# Altium PCB 1-quilter-input.PcbDoc (part 3 of 4) (continued)
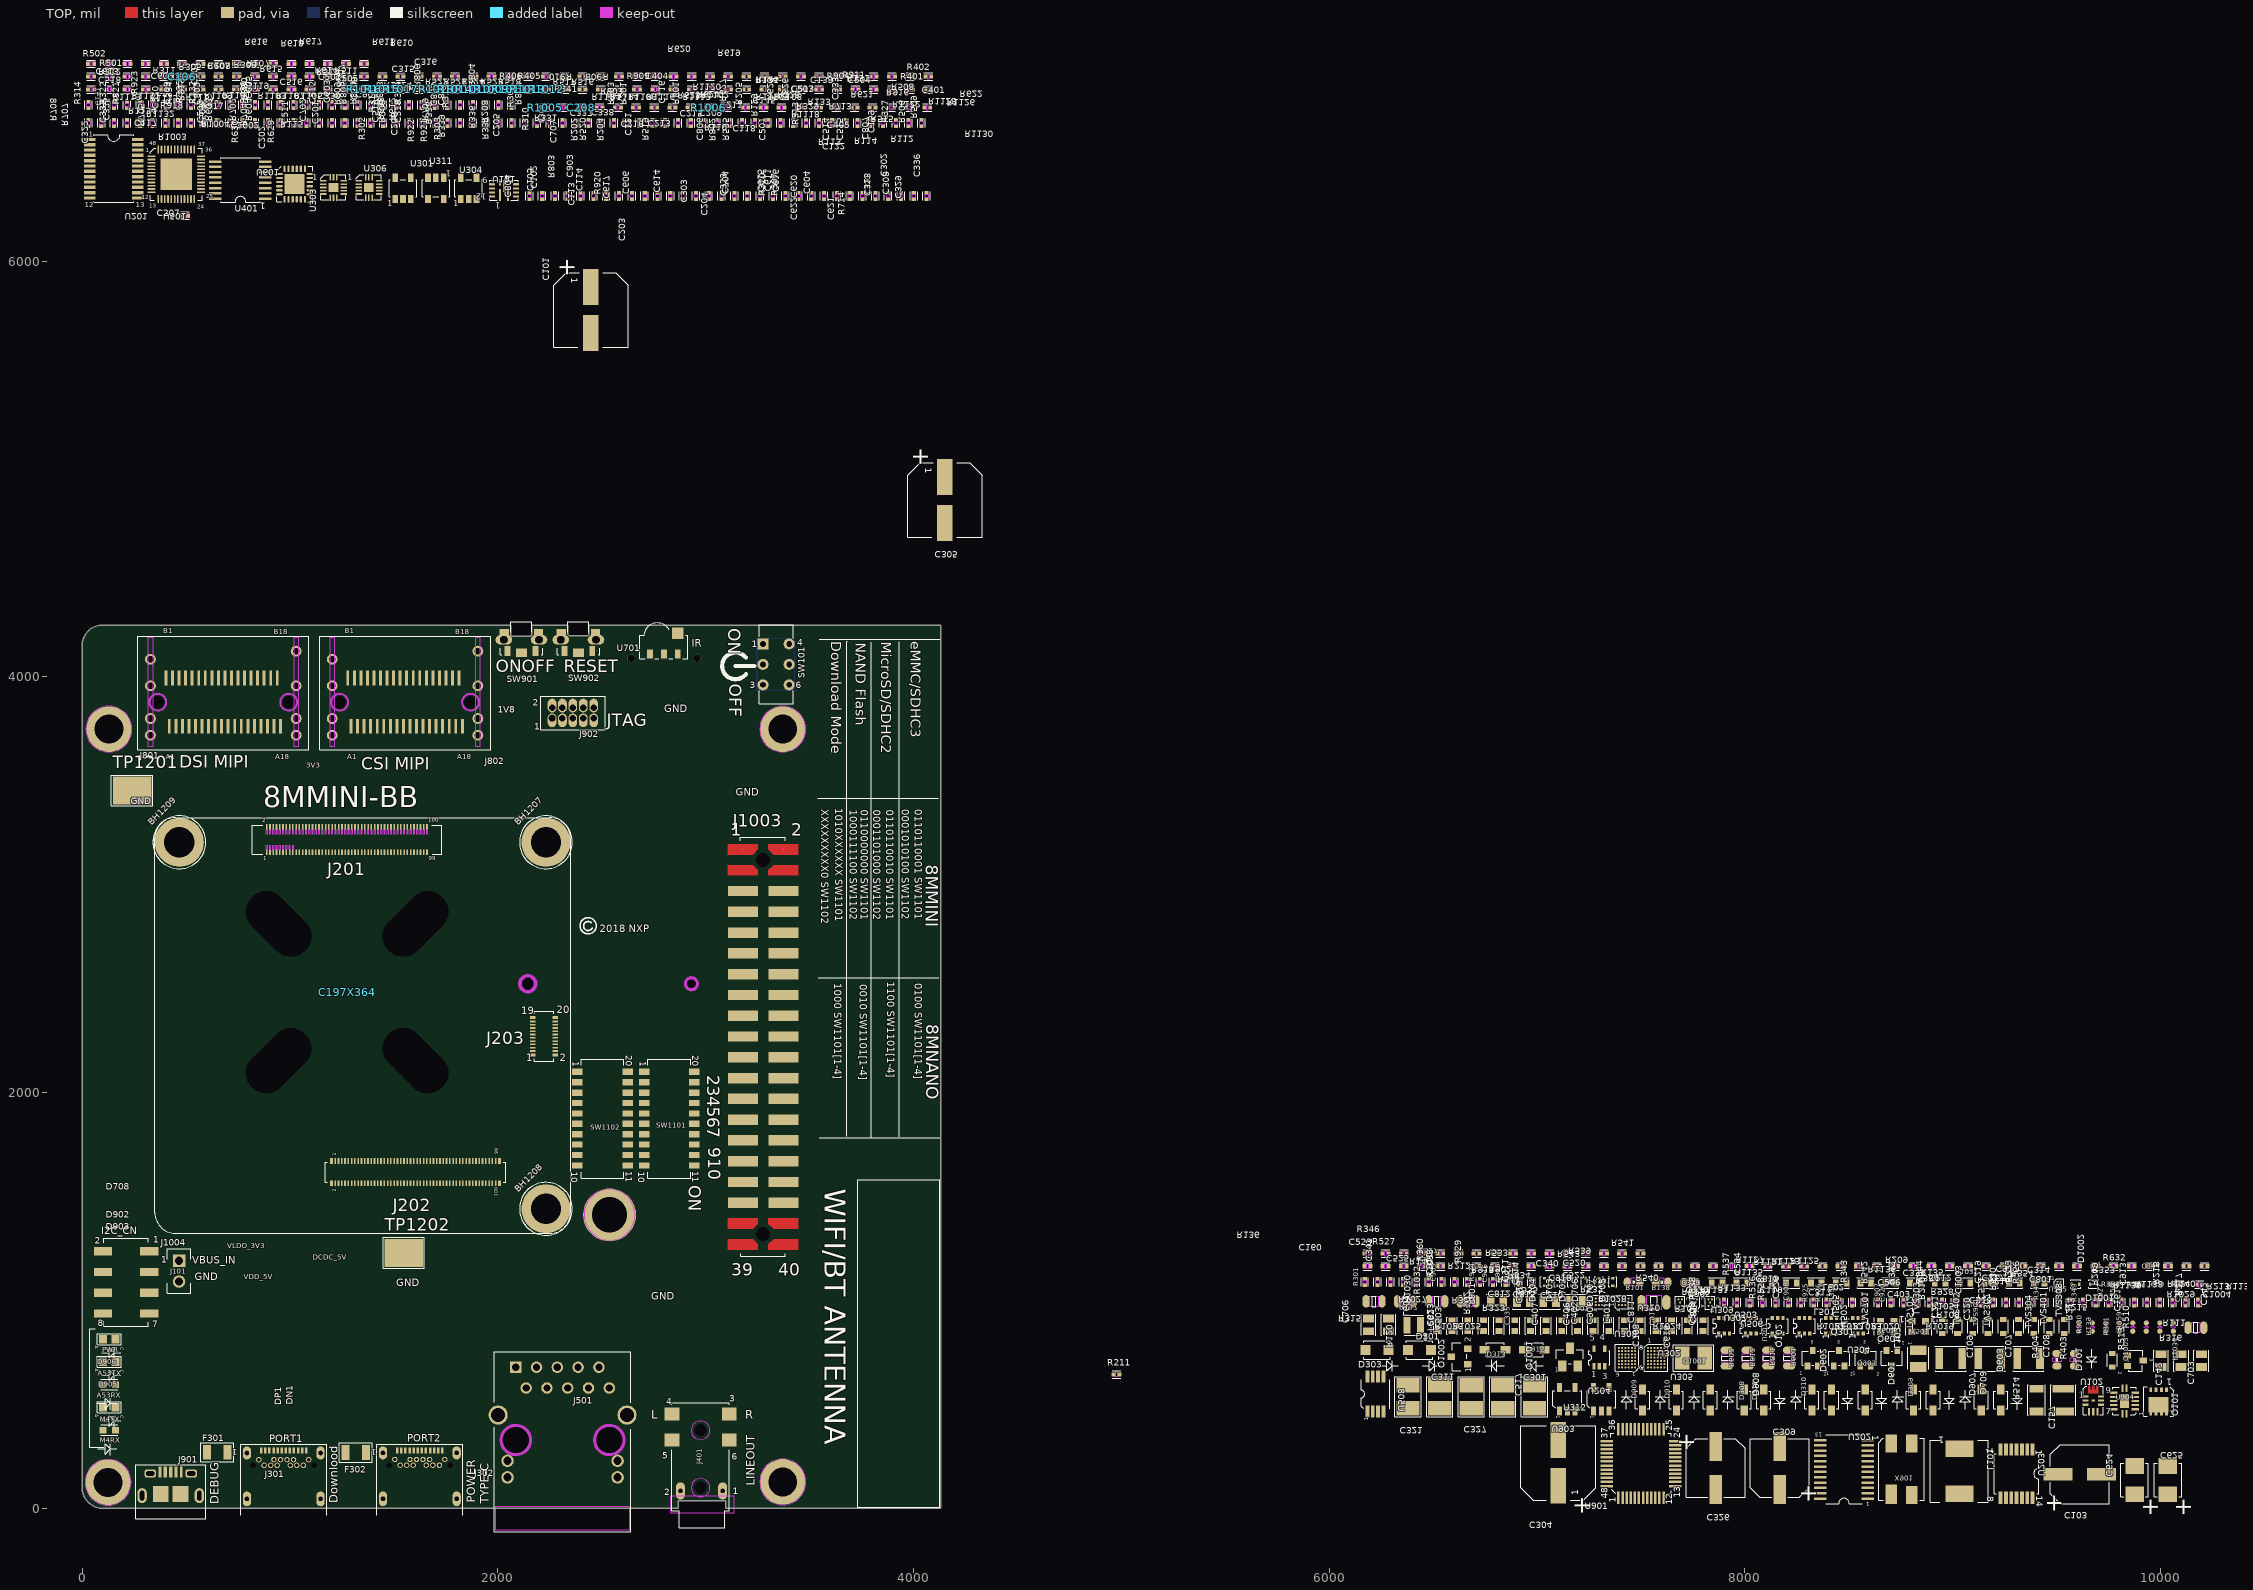
[diagram p0: TOP view]
## Nets (pads, with @x,y where several pads share a name; then routed paths per layer and width w, separated by ;. In a path a pad name is that pad's centre, name@x,y a point inside that pad or via, vN(x,y) a via of type N, cw(c..) or ccw(c..) an arc to the next point about the centre after c; other vN are vias at no path point) (continued)
ETH_TRX0_N: J501.10 U501.12
ETH_TRX0_P: J501.9 U501.11
ETH_TRX1_N: J501.8 U501.15
ETH_TRX1_P: J501.7 U501.14
ETH_TRX2_N: J501.6 U501.18
ETH_TRX2_P: J501.5 U501.17
ETH_TRX3_N: J501.4 U501.21
ETH_TRX3_P: J501.3 U501.20
EX_POR_B: R210.2 U201.3 U204.4
EXP_IO0: R1019.2 U201.6
EXP_IO1: R1020.2 U201.7
EXP_IO2: R1021.2 U201.8
EXP_IO3: R1022.2 U201.9
EXP_IO4: R1023.2 U201.10
EXP_IO5: R1024.2 U201.11
EXP_IO6: R1025.2 U201.13
EXP_IO7: R1026.2 U201.14
EXP_IO8: J1003.12 U201.15
EXP_IO9: J1003.13 U201.16
EXP_IO10: J1003.15 U201.17
EXP_IO11: J1003.16 U201.18
EXP_IO12: J1003.32 U201.19
EXP_IO13: J1003.33 U201.20
EXP_IO14: J1003.31 U201.4
EXT_PWREN: R114.1 R1032.1 U201.5
FRS_EN1: U302.B6 U303.1
FRS_EN2: U305.B6 U306.1
FT_NPWREN: U901.41
FT_NRXLED1: D902.C U901.12
FT_NRXLED2: D906.C U901.28
FT_NSLEEP1: D909.A U901.13
FT_NSLEEP2: D910.A U901.29
FT_NTXLED1: D903.C U901.11
FT_NTXLED2: D905.C U901.27
FT_USB_DN: U901.8 U902.C2
FT_USB_DP: R925.1 U901.7 U902.C1
FT_VCCOUT_3V3: C920.2 R927.1 U901.6
FTDI_NPOR: C909.1 R924.2 U901.4
FTDI_NRSTOUT: R925.2 U901.5
FTDIA_RX: U901.23 U904.12
FTDIA_TX: U901.24 U904.13
FTDIB_RX: U901.39 U904.10
FTDIB_TX: U901.40 U904.11
GND: BH1201.1 BH1202.1 BH1203.1 BH1204.1 BH1206.1 BH1207.1 BH1208.1 BH1209.1 C101.2 C103.2 C105.2 C106.2 C107.2 C108.2 C109.2 C113.2 C114.2 C116.2 C117.2 C119.2 C120.2 C121.2 C141.2 C142.2 C145.2 C157.2 C161.2 C201.2 C202.2 C203.2 C204.2 C205.2 C206.2 C207.2 C208.2 C209.2 C210.2 C211.2 C212.2 C213.2 C214.2 C215.2 C216.2 C217.2 C218.2 C219.2 C220.2 C221.2 C301.2 C302.2 C303.2 C304.2 C305.2 C308.2 C309.2 C311.2 C313.2 C314.2 C316.2 C317.2 C318.1 C319.2 C320.1 C321.2 C322.2 C323.2 C325.2 C326.2 C327.2 C329.2 C331.2 C332.1 C333.2 C334.2 C335.2 C336.1 C337.2 C338.2 C339.2 C340.2 C341.2 C342.2 C343.2 C344.2 C401.2 C402.2 C403.2 C404.1 C406.1 C407.2 C501.2 C502.2 C503.2 C504.2 C505.2 C506.2 C507.2 C508.2 C509.2 C510.2 C511.2 C512.2 C513.2 C514.2 C515.2 C516.2 C517.1 C518.2 C519.2 C520.2 C521.2 C522.2 C523.2 C524.2 C525.2 C526.2 C527.2 C603.2 C604.2 C605.2 C606.2 C607.2 C608.2 C609.2 C611.2 C613.2 C614.2 C617.2 C618.2 C620.2 C621.2 C622.2 C623.2 C624.2 C625.2 C702.2 C703.2 C704.2 C706.2 C707.2 C708.2 C801.2 C802.2 C803.2 C804.2 C805.2 C806.2 C807.2 C811.2 C812.2 C813.2 C814.2 C815.2 C901.2 C902.2 C903.2 C905.2 C906.2 C907.2 C908.2 C909.2 C910.2 C911.2 C912.2 C913.2 C914.2 C915.2 C916.2 C917.2 C918.2 C920.1 C1001.2 C1002.2 C1003.2 D101.A D301.A D303.A D702.A D703.A D704.A D705.A D706.A D707.A D708.C D1001.A D1002.A J101.2 J201.1 J201.7 J201.8 J201.13 J201.19 J201.20 J201.25 J201.31 J201.32 J201.37 J201.43 J201.44 J201.49 J201.55 J201.61 J201.67 J201.68 J201.73 J201.79 J201.80 J201.87 J201.92 J201.97 J202.9 J202.10 J202.11 J202.12 J202.13 J202.14 J202.15 J202.16 J202.17 J202.18 J202.19 J202.20 J202.47 J202.48 J202.60 J202.61 J202.72 J202.75 J202.84 J202.89 J202.96 J203.3 J203.6 J203.7 J203.16 J203.17 J301.A1 J301.A12 J301.B1 J301.B12 J301.SH1 J301.SH2 J301.SH3 J301.SH4 J302.A1 J302.A12 J302.B1 J302.B12 J302.SH1 J302.SH2 J302.SH3 J302.SH4 J401.1 J401.2 J501.1 J501.12 J601.1 J601.7 J601.18 J601.33 J601.39 J601.45 J601.51 J601.57 J601.63 J601.69 J601.75 J701.6 J701.10 J701.11 J701.12 J701.13 J801.A1 J801.A4 J801.A7 J801.A12 J801.A15 J801.A18 J801.B1 J801.B4 J801.B7 J801.B12 J801.B15 J801.B18 J801.T1 J801.T2 J801.T3 J801.T4 J801.T5 J801.T6 J801.T7 J801.T8 J802.A1 J802.A4 J802.A7 J802.A12 J802.A15 J802.A18 J802.B1 J802.B4 J802.B7 J802.B12 J802.B15 J802.B18 J802.T1 J802.T2 J802.T3 J802.T4 J802.T5 J802.T6 J802.T7 J802.T8 J901.5 J901.S1 J901.S2 J901.S3 J901.S4 J901.S5 J901.S6 J902.3 J902.5 J1001.5 J1001.7 J1001.17 J1001.28 J1001.30 J1001.32 J1001.38 J1001.40 J1001.42 J1001.45 J1001.49 J1001.60 J1003.6 J1003.9 J1003.14 J1003.20 J1003.25 J1003.30 J1003.34 J1003.39 J1004.7 J1004.8 Q102.2 Q301.2 Q604.2 Q903.2 Q1002.2 Q1003.2 R108.2 R109.2 R111.2 R115.2 R133.2 R139.2 R215.2 R301.2 R313.2 R314.2 R321.2 R322.2 R328.1 R329.1 R330.1 R333.2 R346.2 R357.2 R359.2 R361.1 R405.2 R514.1 R515.2 R517.2 R518.2 R520.2 R521.2 R522.2 R523.2 R524.2 R525.2 R618.1 R619.1 R620.1 R621.2 R622.2 R625.1 R921.2 R922.2 R930.1 R1033.2 R1102.2 R1104.2 R1106.2 R1108.2 R1110.2 R1112.2 R1114.2 R1116.2 R1118.2 R1120.2 R1122.2 R1124.2 R1126.2 R1128.2 R1130.2 R1132.2 R1134.2 R1136.2 R1139.2 R1140.2 SW101.3 SW101.6 SW901.1 SW901.3 SW901.4 SW901.5 SW901.6 SW901.7 SW902.1 SW902.3 SW902.4 SW902.5 SW902.6 SW902.7 TP1201.1 TP1202.1 TP1203.1 TVS303.1 TVS304.1 TVS307.1 TVS308.1 TVS401.1 TVS402.1 TVS701.1 TVS702.1 TVS901.1 U101.2 U101.10 U102.10 U201.12 U201.21 U202.9 U202.10 U202.11 U202.12 U202.13 U202.22 U203.7 U204.1 U204.3 U301.2 U302.A4 U302.B2 U302.B3 U302.B4 U302.B5 U303.5 U303.17 U304.2 U305.A4 U305.B2 U305.B3 U305.B4 U305.B5 U306.17 U307.B1 U308.B3 U308.D3 U309.B1 U310.B3 U310.D3 U311.2 U312.2 U401.4 U401.13 U501.49 U502.2 U503.2 U504.2 U505.2 U506.2 U507.2 U508.2 U601.6 U601.10 U601.15 U601.21 U601.24 U601.25 U701.3 U701.4 U702.B2 U901.9 U901.18 U901.25 U901.34 U901.45 U901.47 U902.B1 U903.2 U904.7 U904.15 X901.2 X901.4 Y501.2 Y501.4 Y601.2 Y601.4
GND_CHASSIS: C517.2 J501.15 J501.16 R514.2
GPIO1_IO15: J202.38 R217.1 R219.2
I2C2_SCL: J201.22 R201.2 R631.2 R810.2 U203.2
I2C2_SCL_3V3: R202.2 R302.1 R305.1 R309.1 R311.1 R612.1 U203.13
I2C2_SDA: J201.24 R205.2 R630.2 R808.2 U203.3
I2C2_SDA_3V3: R206.2 R303.1 R308.1 R310.1 R312.1 R613.1 U203.12
I2C3_SCL: J201.26 R203.2 R809.2 U201.22 U203.4
I2C3_SCL_3V3: D1001.C J1001.50 J1003.5 J1004.3 J1004.4 R204.2 U203.11
I2C3_SDA: J201.28 R207.2 R807.2 U201.23 U203.5
I2C3_SDA_3V3: D1002.C J1001.51 J1003.3 J1004.5 J1004.6 R208.2 U203.10
I2C4_SCL: D603.C J201.30 R632.2
I2C4_SDA: J201.34 U202.6
ILIM_5V_VBUS1: U303.6
ILIM_5V_VBUS2: U306.6
IOEXP_NINT: J202.44 U201.1
IR_CAP: D709.A J202.42
JTAG_NTRST: J201.60 R923.2 R1108.1 SW1101.3
JTAG_TCK: J201.62 J902.4
JTAG_TDI: J201.54 J902.8 R918.2
JTAG_TDO: J201.52 J902.6
JTAG_TMS: J201.58 J902.2 R917.2
LD1_I2C_SCL: R305.2 U302.B1
LD1_I2C_SDA: R308.2 U302.C1
LD1_NINT: R340.2 R345.2 U302.D1
LD2_I2C_SCL: R311.2 U305.B1
LD2_I2C_SDA: R312.2 U305.C1
LD2_NINT: R341.2 R344.2 U305.D1
LED_ACT: C514.1 R510.1 R519.1 R520.1 U501.23
LED_LINK10_100: C516.1 J501.14 U501.26
LED_LINK1000: C515.1 R513.1 R525.1 U501.24
LINE_OUTL: C407.1 J401.4 R404.2 TVS402.2
LINE_OUTR: C406.2 J401.3 R403.2 TVS401.2
LINEVDD: C402.1 L401.1 U401.6
"LINK / ACTIVE": J501.13 R513.2
LINKACT: J501.11 R510.2
M2_I2C_SCL: J601.60 R631.1
M2_I2C_SDA: J601.58 R630.1
M2_PCM_CLK: J601.8
M2_PCM_IN: J601.12
M2_PCM_OUT: J601.14
M2_PCM_SYNC: J601.10
M2_SD_CLK: J601.9
M2_SD_CMD: J601.11
M2_SD_DAT0: J601.13
M2_SD_DAT1: J601.15
M2_SD_DAT2: J601.17
M2_SD_DAT3: J601.19
M2_SD_NRST: J601.23
M2_SD_WAKE: J601.21
M2_UART_CTS: J601.36
M2_UART_RTS: J601.34
M2_UART_RXD: J601.22
M2_UART_TXD: J601.32
M2_USB_DN: J601.5
M2_USB_DP: J601.3
MDC: R511.2 R537.2 U501.1
MDIO: R512.2 R538.2 U501.48
NetC102_1: C102.1 R102.2
NetC102_2: C102.2 L101.1 R135.1 U101.7
NetC106_1: C106.1 C107.1 C108.1 C109.1 C160.2 L101.2 R103.1 R105.1 U101.5
NetC113_1: C113.1 C161.1 D101.C R101.2 R138.1 R140.2 U101.12
NetC117_1: C117.1 R113.2 R114.2 R115.1 U102.5
NetC118_2: C118.2 R110.2 R111.1 U102.3
NetC122_1: C122.1 U102.4
NetC138_2: C138.2 C159.2 Q101.4 R125.2 R129.1
NetC145_1: C145.1 Q102.1 R131.2 R133.1 R134.2
NetC160_1: C160.1 R135.2 R136.1
NetC315_1: C315.1 U302.A6
NetC316_1: C316.1 U302.A3
NetC319_1: C319.1 R349.2 U303.3
NetC330_1: C330.1 U305.A6
NetC333_1: C333.1 U305.A3
NetC335_1: C335.1 R350.2 U306.3
NetC339_1: C339.1 D308.C D309.C R355.1 U312.1
NetC401_1: C401.1 U401.2
NetC404_2: C404.2 U401.14
NetC405_1: C405.1 U401.5
NetC405_2: C405.2 U401.3
NetC613_1: C613.1 U601.1 Y601.1
NetC614_1: C614.1 U601.2 Y601.3
NetC902_1: C902.1 R904.2 U901.46
NetC907_1: C907.1 U901.43 X901.1
NetC908_1: C908.1 U901.44 X901.3
NetC917_1: C917.1 U903.4
NetC918_1: C918.1 R928.1 U903.5
NetC1004_2: C1004.2 Q1001.1 R1029.2 R1031.1
NetD311_A: D311.A Q301.1 R346.1 R360.2
NetD601_C: D601.C J601.55 R627.2
NetD602_A: D602.A D603.A Q604.1 R623.2
NetD702_C: D702.C J701.2 R709.2
NetD703_C: D703.C J701.1 R708.2
NetD704_C: D704.C J701.8 R707.2
NetD705_C: D705.C J701.7 R705.2
NetD706_C: D706.C J701.5 R704.2
NetD707_C: D707.C J701.3 R702.2
NetD708_A: D708.A R713.2
NetD709_C: D709.C U701.1
NetD902_A: D902.A R902.1
NetD903_A: D903.A R903.1
NetD905_A: D905.A R915.1
NetD906_A: D906.A R916.1
NetD907_C: D907.C R919.1
NetD909_C: D909.C D910.C R929.1
NetJ501_2: J501.2 R503.2
NetJ601_54: J601.54
NetJ801_A8: J801.A8 J801.A9
NetJ802_A8: J802.A8 J802.A9
NetJ902_7: J902.7 R921.1
NetJ902_9: J902.9 R922.1 R923.1
NetJ1001_2: J1001.2 R1028.1
NetJ1001_3: J1001.3 R1027.1
NetJ1001_31: J1001.31 R1009.1
NetJ1001_34: J1001.34 R1010.1
NetJ1001_35: J1001.35 R1011.1
NetJ1001_36: J1001.36 R1012.1
NetJ1001_37: J1001.37 R1013.1
NetJ1001_46: J1001.46 R1003.1 R1004.1
NetJ1001_52: J1001.52 R1019.1
NetJ1001_53: J1001.53 R1020.1
NetJ1001_54: J1001.54 R1021.1
NetJ1001_55: J1001.55 R1022.1
NetJ1001_56: J1001.56 R1023.1
NetJ1001_57: J1001.57 R1024.1
NetJ1001_58: J1001.58 R1025.1
NetJ1001_59: J1001.59 R1026.1
NetJ1003_35: J1003.35 R1017.2
NetJ1003_36: J1003.36 R1014.1
NetJ1003_37: J1003.37 R1018.2
NetJ1003_38: J1003.38 R1015.1
NetJ1003_40: J1003.40 R1016.1
NetL102_1: L102.1 U102.1 U102.9
NetQ102_3: Q102.3 R129.2
NetQ903_1: Q903.1 R137.2 R139.1
NetQ903_3: Q903.3 R138.2
NetQ1001_3: Q1001.3 R1001.1 R1030.1 R1034.2
NetQ1002_1: Q1002.1 Q1003.3 R1031.2
NetQ1002_3: Q1002.3 R1030.2
NetQ1003_1: Q1003.1 R1032.2 R1033.1
NetR102_1: R102.1 U101.8
NetR105_2: R105.2 R109.1 R136.2 U101.11
NetR107_2: R107.2 R108.1 U101.6
NetR112_2: R112.2 U102.6
NetR140_1: R140.1 SW101.2 SW101.5
NetR209_2: R209.2 U202.2
NetR211_2: R211.2 U202.4
NetR212_2: R212.2 U202.5
NetR213_2: R213.2 U202.7
NetR214_2: R214.2 U203.8
NetR304_2: R304.2 R314.1 U301.4
NetR306_2: R306.2 R313.1 U301.3
NetR318_2: R318.2 R322.1 U304.4
NetR319_2: R319.2 R321.1 U304.3
NetR327_1: R327.1 U306.5
NetR328_2: R328.2 U302.A2
NetR329_2: R329.2 U302.E1
NetR330_2: R330.2 U305.A2
NetR331_1: R331.1 R354.2 U305.A1
NetR331_2: R331.2 U305.E1
NetR353_2: R353.2 U302.A1
NetR355_2: R355.2 R361.2 U312.3
NetR356_2: R356.2 R357.1 U311.3
NetR358_2: R358.2 R359.1 U311.4
NetR401_2: R401.2 U401.10
NetR402_2: R402.2 U401.9
NetR403_1: R403.1 U401.16
NetR404_1: R404.1 U401.1
NetR406_1: R406.1 U401.12
NetR515_1: R515.1 U501.9
NetR526_1: R526.1 U508.6
NetR527_2: R527.2 R537.1 U508.8
NetR528_2: R528.2 R538.1 U508.1
NetR539_2: R539.2 U502.4 U502.6
NetR540_2: R540.2 U504.4 U504.6
NetR541_2: R541.2 U503.4 U503.6
NetR542_2: R542.2 U506.4 U506.6
NetR543_2: R543.2 U505.4 U505.6
NetR544_2: R544.2 U507.4 U507.6
NetR612_2: R612.2 U601.8
NetR613_2: R613.2 U601.9
NetR618_2: R618.2 U601.12
NetR619_2: R619.2 U601.19
NetR620_2: R620.2 U601.23
NetR624_2: R624.2 R625.2 U601.5
NetR714_2: R714.2 U701.2
NetR908_1: R908.1 U904.2
NetR909_1: R909.1 U904.3
NetR910_1: R910.1 U904.4
NetR911_1: R911.1 U904.5
NetR926_2: R926.2 U901.2
NetR929_2: R929.2 R930.2 U904.8
NetR1101_1: R1101.1 SW1101.18
NetR1103_1: R1103.1 SW1101.20
NetR1105_1: R1105.1 SW1101.19
NetR1107_1: R1107.1 SW1101.17
NetR1109_1: R1109.1 SW1101.16
NetR1111_1: R1111.1 SW1101.15
NetR1113_1: R1113.1 SW1101.14
NetR1115_1: R1115.1 SW1101.13
NetR1117_1: R1117.1 SW1101.12
NetR1119_1: R1119.1 SW1102.20
NetR1121_1: R1121.1 SW1102.19
NetR1123_1: R1123.1 SW1102.18
NetR1125_1: R1125.1 SW1102.17
NetR1127_1: R1127.1 SW1102.16
NetR1129_1: R1129.1 SW1102.15
NetR1131_1: R1131.1 SW1102.14
NetR1133_1: R1133.1 SW1102.13
NetR1135_1: R1135.1 SW1101.11
NetR1137_1: R1137.1 SW1102.12
NetR1138_1: R1138.1 SW1102.11
NetTP103_1: U102.7
NetTP105_1: U101.3
NetTP309_1: U308.C3
NetTP310_1: U310.C3
NetTP602_1: U601.4
NRST: D908.C J902.10 R919.2
NVCC_ENET: C523.1 J203.19 R502.2 R526.2 R536.2 U508.3
ONOFF: J201.46 SW901.2
PCIE_CLK_CPU_N: J201.75 R611.2 R615.1
PCIE_CLK_CPU_P: J201.77 R610.2 R614.1
PCIE_NCLKREQ_DEV: D602.C J601.53 R626.2 R632.1
PCIE_NDIS: J601.56 U202.21
PCIE_NDIS_LV: J202.62 U202.3
PCIE_NRST: J601.52 U202.20
PCIE_NRST_LV: J202.68 R211.1
PCIE_NWAKE: D601.A J201.86
PCIE_REQ: Q604.3 U601.22
PCIE_RX_N: J201.63 J601.43
PCIE_RX_P: J201.65 J601.41
PCIE_TX_N: C616.1 J201.69
PCIE_TX_P: C615.1 J201.71
PCIE_TXC_N: C616.2 J601.37
PCIE_TXC_P: C615.2 J601.35
PD1_I2C_SCL: R302.2 U303.8
PD1_I2C_SDA: R303.2 U303.7
PD2_I2C_SCL: R309.2 U306.8
PD2_I2C_SDA: R310.2 U306.7
PD_EN_SRC1: R332.1 U303.16
PD_EN_SRC2: R334.1 U306.16
PHY_CLKOUT: U501.25
PMIC_ON_REQ: J201.48 R131.1
POR_B: D908.A J201.50 R210.1 U204.2
PPS/GPIO: U501.22
REF_CLK_32K: J202.37 R215.1 U202.8
REF_CLK_32K_3V3: R629.2 U202.16
REF_CLK_CN_N: J601.49 R615.2 R617.2 R622.1
REF_CLK_CN_P: J601.47 R614.2 R616.2 R621.1
SAI1_MCLK: J202.98 J1001.4
SAI1_RXC: J202.76 J1001.18
SAI1_RXD0: J202.78 J1001.20 R1112.1 SW1101.5
SAI1_RXD1: J202.80 J1001.21 R1114.1 SW1101.6
SAI1_RXD2: J202.82 J1001.22 R1116.1 SW1101.7
SAI1_RXD3: J202.86 J1001.23 R1118.1 SW1101.8
SAI1_RXD4: J202.88 J1001.24 R1102.1 SW1101.9
SAI1_RXD5: J202.90 J1001.25 R1136.1 SW1101.10
SAI1_RXD6: J202.92 J1001.26 R1120.1 SW1102.1
SAI1_RXD7: J202.94 J1001.27 R1122.1 SW1102.2
SAI1_RXFS: J202.74 J1001.19
SAI1_TXC: J202.81 J1001.6
SAI1_TXD0: J202.83 J1001.9 R1124.1 SW1102.3
SAI1_TXD1: J202.85 J1001.10 R1126.1 SW1102.4
SAI1_TXD2: J202.87 J1001.11 R1128.1 SW1102.5
SAI1_TXD3: J202.91 J1001.12 R1130.1 SW1102.6
SAI1_TXD4: J202.93 J1001.13 R1132.1 SW1102.7
SAI1_TXD5: J202.95 J1001.14 R1134.1 SW1102.8
SAI1_TXD6: J202.97 J1001.15 R1139.1 SW1102.9
SAI1_TXD7: J202.99 J1001.16 R1140.1 SW1102.10
SAI1_TXFS: J202.100 J1001.8
SAI2_3_MCLK: J1001.39 R1005.1 R1006.1
SAI2_MCLK: J202.66 R213.1
SAI2_MCLK_3V3: R1006.2 U202.17
SAI3_MCLK: J202.41 R401.1 R1005.2
SAI3_RXC: J202.53 J1001.41
SAI3_RXD: J202.55 J1001.44
SAI3_RXFS: J202.51 J1001.43
SAI3_TXC: J202.45 R402.1
SAI3_TXD: J202.49 U401.7
SAI3_TXFS: J202.43 U401.8
SAI5_MCLK: J202.77 J1001.29
SAI5_RXC: J202.65 R1009.2 R1016.2
SAI5_RXD0: J202.67 R1010.2 R1015.2
SAI5_RXD1: J202.69 R1011.2 R1018.1
SAI5_RXD2: J202.71 R1012.2 R1014.2
SAI5_RXD3: J202.73 R1013.2 R1017.1
SAI5_RXFS: J202.70 J1001.33
SD2_CLK: J201.76 R704.1
SD2_CMD: J201.78 R702.1
SD2_DATA0: J201.84 R705.1
SD2_DATA1: J201.82 R707.1
SD2_DATA2: J201.72 R708.1
SD2_DATA3: J201.74 R709.1
SD2_DET: J701.9 R217.2 R218.1 TVS701.2
SD2_NCD: J201.88 R216.2 R218.2
SD2_NRST: J201.90 U702.B1
SPDIF_EXT_CLK: J202.63 R1003.2
SPDIF_RX: J202.59 J1001.48
SPDIF_TX: J202.57 J1001.47
SUSCLK_32K: J601.50 R629.1
SYS_5V: C103.1 C116.1 C138.1 C209.1 C210.1 J202.1 J202.2 J202.3 J202.4 J202.5 J202.6 J202.7 J202.8 Q101.1 Q101.2 Q101.3 R103.2 R112.1 R120.1 R125.1 U102.8 U102.11
SYS_NRST: J202.39 SW902.2
TCPC_NINT1: J201.70 U303.10
TCPC_NINT2: R216.1 R219.1 U306.10
TEST_MODE: J201.56 R1110.1 SW1101.4
UART2_RXD: J201.36 R910.2
UART2_TXD: J201.38 R911.2
UART3_CTS: J201.10 J1003.7
UART3_RTS: J201.2 J1003.11
UART3_RXD: J201.4 J1003.10
UART3_TXD: J201.6 J1003.8
UART4_RXD: J201.40 R908.2
UART4_TXD: J201.42 R909.2
USB1_CC1: R336.2 U303.13 U308.A2
USB1_CC1_CN: J301.A5 R336.1 TVS304.2 U308.A1
USB1_CC2: R337.2 U303.14 U308.B2 U308.C1 U308.C2
USB1_CC2_CN: J301.B5 R337.1 TVS303.2 U308.B1
USB1_CN_DN: J301.A7 J301.B7 U307.A2
USB1_CN_DP: J301.A6 J301.B6 U307.A1
USB1_DN: J201.83 U307.C2
USB1_DP: J201.85 U307.C1
USB1_ID: J201.89
USB1_OTG_VBUS: C303.1 D301.C F301.1 J301.A4 J301.A9 J301.B4 J301.B9 R301.1 R306.1
USB1_OTG_VBUS_F: C301.1 C302.1 D309.A F301.2 U302.C2 U302.C3 U302.C4 U302.C5 U302.D4 U302.D5 U302.E4 U302.E5 U302.F4 U302.F5 U302.G4 U302.G5 U303.15
USB1_VBUS: C215.1 J201.81 R307.2 U301.1
USB1_VBUS_IN: C308.1 C309.1 C315.2 R315.1 R316.1 U302.C6 U302.D6 U302.E6 U302.F6 U302.G6
USB2_CC1: R338.2 U306.13 U310.A2
USB2_CC1_CN: J302.A5 R338.1 TVS308.2 U310.A1
USB2_CC2: R339.2 U306.14 U310.B2 U310.C1 U310.C2
USB2_CC2_CN: J302.B5 R339.1 TVS307.2 U310.B1
USB2_CN_DN: J302.A7 J302.B7 U309.A2
USB2_CN_DP: J302.A6 J302.B6 U309.A1
USB2_DN: J201.93 U309.C2
USB2_DP: J201.95 U309.C1
USB2_ID: J201.99
USB2_OTG_VBUS: C323.1 D303.C F302.1 J302.A4 J302.A9 J302.B4 J302.B9 R319.1 R356.1
USB2_OTG_VBUS_F: C321.1 C322.1 D308.A F302.2 U305.C2 U305.C3 U305.C4 U305.C5 U305.D4 U305.D5 U305.E4 U305.E5 U305.F4 U305.F5 U305.G4 U305.G5 U306.15
USB2_VBUS: C216.1 J201.91 R320.2 U304.1
USB2_VBUS_IN: C325.1 C326.1 C330.2 R323.1 R325.1 U305.C6 U305.D6 U305.E6 U305.F6 U305.G6
USB_DBG_DN: J901.2 U902.A2
USB_DBG_DP: J901.3 U902.A1
USB_LD_NFLT1: R340.1 U303.11
USB_LD_NFLT2: R341.1 U306.11
VBUS2_TH: C341.1 D311.C R343.2 U311.1
VBUS_DBG: J901.1 L901.1 TVS901.2
VBUS_EXT: C1001.1 C1002.1 J1001.1 R1001.2 R1027.2 R1028.2
VBUS_IN: C101.1 C105.1 C304.1 C305.1 C1004.1 J101.1 Q1001.2 R101.1 R137.1 R315.2 R316.2 R323.2 R325.2 R1029.1 R1034.1 U101.1
VBUS_USB_DBG: C901.1 C903.1 C905.1 C910.1 C911.1 C912.1 L901.2 R904.1 R924.1 R926.1 U901.3 U901.42 U903.1 U903.3
VCC: J902.1 R920.2
VCC_3V3_FT: C906.1 C913.1 C914.1 C915.1 R902.2 R903.2 R915.2 R916.2 R927.2 R928.2 U901.10 U901.14 U901.26 U901.31 U904.14
VCC_3V6: C114.1 R107.1 U101.9
VDD_1V8: C201.1 C204.1 C205.1 C206.1 C213.1 C214.1 C218.1 C219.1 C221.1 C520.1 C521.1 C522.1 C525.1 C526.1 C527.1 C801.1 C802.1 C805.1 C813.1 C916.1 D907.A J202.22 J202.24 J202.26 J202.28 J202.30 J202.32 J202.34 J202.36 J801.A5 J801.A6 J802.A5 J802.A6 L601.2 L602.1 R201.1 R203.1 R205.1 R207.1 R209.1 R214.1 R536.1 R604.1 R623.1 R624.1 R801.1 R802.1 R803.1 R804.1 R805.1 R806.1 R917.1 R918.1 R920.1 R1101.2 R1103.2 R1105.2 R1107.2 U201.2 U202.1 U203.1 U204.5 U502.5 U503.5 U504.5 U505.5 U506.5 U507.5 U904.1
VDD_1V8_U601_2: C605.1 C606.1 C607.1 C608.1 C609.1 C611.1 L601.1 L602.2 U601.3 U601.11 U601.16 U601.20
VDD_3V3: C202.1 C203.1 C207.1 C208.1 C211.1 C212.1 C217.1 C220.1 C403.1 C506.1 C507.1 C524.1 C706.1 C707.1 C708.1 C1003.1 D310.A J202.21 J202.23 J202.25 J202.27 J202.29 J202.31 J202.33 J202.35 J1004.1 J1004.2 L401.2 L501.1 R113.1 R134.1 R202.1 R204.1 R206.1 R208.1 R344.1 R345.1 R349.1 R350.1 R406.2 R506.1 R527.1 R528.1 R601.1 R603.1 R713.1 R714.1 R812.1 R1004.2 R1109.2 R1111.2 R1113.2 R1115.2 R1117.2 R1119.2 R1121.2 R1123.2 R1125.2 R1127.2 R1129.2 R1131.2 R1133.2 R1135.2 R1137.2 R1138.2 U201.24 U202.23 U202.24 U203.14 U401.15 U501.4 U508.7 U702.A1
VDD_3V3_U601: C603.1 C604.1 R603.2 R604.2 U601.7
VDD_5V: C141.1 C142.1 C157.1 C159.1 C311.1 C313.1 C320.2 C327.1 C329.1 C336.2 C342.1 C343.1 C804.1 C807.1 C812.1 C815.1 J801.A16 J801.A17 J802.A16 J802.A17 J1003.2 J1003.4 Q101.5 R120.2 R304.1 R307.1 R318.1 R320.1 U301.5 U302.D2 U302.D3 U302.E2 U302.E3 U302.F2 U302.F3 U302.G2 U302.G3 U303.12 U304.5 U305.D2 U305.D3 U305.E2 U305.E3 U305.F2 U305.F3 U305.G2 U305.G3 U306.12
VDDEXT_3V3: C118.1 C119.1 C120.1 C121.1 C122.2 L102.2 R110.1 R602.1 R811.1 U102.2
VEXT_3V3: C803.1 C806.1 C811.1 C814.1 J801.A13 J801.A14 J802.A13 J802.A14 J1003.1 J1003.17 R811.2 R812.2
VLDO1_3V3: C317.1 D312.A U302.A5
VLDO2_3V3: C334.1 D313.A U305.A5
VLDO_3V3: C314.1 C331.1 C337.1 C338.1 C340.1 C344.1 D310.C D312.C D313.C R343.1 R353.1 R354.1 R358.1 U308.A3 U310.A3 U311.5 U312.5
VPCIE_3V3: C617.1 C618.1 C620.1 C621.1 C622.1 C623.1 C624.1 C625.1 J601.2 J601.4 J601.72 J601.74 R601.2 R602.2 R626.1 R627.1
VSD_3V3: C702.1 C703.1 C704.1 J701.4 TVS702.2 U702.A2
WOL_INT: J202.46 U501.40
pads on no net: C197X364. J202. J203. J301. J301.A2 J301.A3 J301.A8 J301.A10 J301.A11 J301.B2 J301.B3 J301.B8 J301.B10 J301.B11 J302. J302.A2 J302.A3 J302.A8 J302.A10 J302.A11 J302.B2 J302.B3 J302.B8 J302.B10 J302.B11 J401. J401.5 J401.6 J501. J601. J601.6 J601.16 J601.38 J601.40 J601.42 J601.44 J601.46 J601.48 J601.59 J601.61 J601.62 J601.64 J601.65 J601.66 J601.67 J601.68 J601.70 J601.71 J601.73 J701. J801. J801.A10 J802. J802.A10 J901.4 J1001. J1003. J1003.18 J1003.22 J1003.26 J1003.27 J1003.28 J1003.29 SW101.1 SW101.4 U101.4 U202.14 U202.15 U203.6 U203.9 U308.D1 U308.D2 U310.D1 U310.D2 U312.4 U501.42 U501.43 U501.45 U501.46 U901.1 U901.15 U901.16 U901.17 U901.19 U901.20 U901.21 U901.22 U901.30 U901.32 U901.33 U901.35 U901.36 U901.37 U901.38 U901.48 U904.6 U904.9

## Keep-outs
L6_IN2:
  region: 2529.81,2795.03 2549.81,2795.03 2549.81,2842.55 2529.81,2842.55
  region: 2564.81,2795.03 2584.81,2795.03 2584.81,2842.55 2564.81,2842.55
L7_GND2:
  region: 2529.81,2842.55 2529.81,2795.03 2549.81,2795.03 2549.81,2842.55
  region: 2564.81,2842.55 2564.81,2795.03 2584.81,2795.03 2584.81,2842.55
Multi-Layer:
  region: 2832.63,-25.21 2832.63,58.79 3134.63,58.79 3134.63,-25.21

## Silkscreen, mask and mechanical layers (free items; w line width, h text height)
Top Overlay:
  circle w8: c2434.63,2801.44 r39
  lines w5: 63.63,862.79 33.63,862.79 34.54,292.74 105.12,292.74 ; 3539.3,3414.26 4117.54,3414.26 4119.13,3414.14 ; 3542.72,2551.1 4120.96,2551.1 4122.55,2550.98 ; 3545.68,4179.61 4123.92,4179.61 4125.51,4179.49 ; 3546.98,1782.53 4125.22,1782.53 4126.81,1782.41 ; 3677.99,4170.12 3678.24,4169.04 3678.24,1788.09 ; 3797.04,4165.87 3797.29,4164.79 3797.29,1783.84 ; 3930.45,4168.81 3930.7,4167.73 3930.7,1786.78 ; 349.69,1421.63 ccw(c449.69,1421.63) 449.69,1321.63 2249.69,1321.63 ccw(c2249.69,1421.63) 2349.69,1421.63 2349.69,3221.63 ccw(c2249.69,3221.63) 2249.69,3321.63 449.69,3321.63 ccw(c449.69,3221.63) 349.69,3221.63 349.69,1421.63
  lines w6: 3732.63,3.79 3732.63,1578.79 4126.63,1578.79 4126.63,3.79 3732.63,3.79
  lines w8: 2449.63,2816.44 ccw(c2434.63,2800.44) 2454.63,2791.44
  lines w20: 3143.39,4051.92 3233.39,4051.92 ; 3193.39,4011.92 cw(c3143.39,4051.9) 3143.39,3987.88 cw(c3143.39,4051.92) 3193.4,4091.93
  text "ON" at 3109.31,4234 h59.8 r270
  text "Download Mode" at 3605.44,4169.86 h50 r270
  text "eMMC/SDHC3" at 3985.98,4169.86 h50 r270
  text "MicroSD/SDHC2" at 3844.12,4167.4 h50 r270
  text "NAND Flash" at 3721.25,4163.31 h50 r270
  text "IR" at 2933.23,4144.24 h35
  text "RESET" at 2316.41,4021.99 h59.8
  text "ONOFF" at 1989.49,4020.53 h59.8
  text "OFF" at 3112.37,3966.8 h59.8 r270
  text "GND" at 2800.13,3829.12 h35
  text "1V8" at 1999.13,3826.29 h31
  text "JTAG" at 2522.9,3761.88 h59.8
  text "DSI MIPI" at 467.33,3561.89 h59.8
  text "3V3" at 1078.63,3561.29 h25
  text "CSI MIPI" at 1341.73,3552.86 h59.8
  text "GND" at 3145.13,3428.12 h35
  text "GND" at 233.13,3387.12 h31
  text "8MMINI-BB" at 871.21,3372.48 h100
  text "1010XXXXXX SW1101" at 3622.42,3366.75 h35 r270
  text "XXXXXXXXX0 SW1102" at 3555.42,3362.75 h35 r270
  text "0001010100 SW1102" at 3943.78,3362.62 h35 r270
  text "0001101000 SW1102" at 3806.78,3360.62 h35 r270
  text "0110110010 SW1101" at 3869.78,3360.62 h35 r270
  text "0110110001 SW1101" at 4006.78,3361.43 h35 r270
  text "1000111100 SW1102" at 3693.99,3360.48 h35 r270
  text "0110000000 SW1101" at 3746.29,3359.75 h35 r270
  text "8MMINI" at 4058.25,3096.32 h59.8 r270
  text "2018 NXP" at 2489.63,2771.44 h35
  text "1100 SW1101[1-4]" at 3872.84,2533.33 h35 r270
  text "0100 SW1101[1-4]" at 4006.77,2524.82 h35 r270
  text "1000 SW1101[1-4]" at 3618.19,2524.46 h35 r270
  text "0010 SW1101[1-4]" at 3741.03,2520.57 h35 r270
  text "8MNANO" at 4062.5,2328.86 h59.8 r270
  text "2" at 3008.02,2081.51 h59.8 r270
  text "3" at 3008.02,2031.51 h59.8 r270
  text "4" at 3008.02,1981.51 h59.8 r270
  text "5" at 3008.02,1931.51 h59.8 r270
  text "6" at 3008.02,1881.51 h59.8 r270
  text "7" at 3008.02,1831.51 h59.8 r270
  text "910" at 3012.33,1735.59 h59.8 r270
  text "ON" at 2918.64,1552.92 h59.8 r270
  text "WIFI/BT ANTENNA" at 3573.63,1536.29 h100 r270
  text "I2C_CN" at 92.25,1318.5 h35
  text "VLDO_3V3" at 698.05,1250.66 h25
  text "DCDC_5V" at 1110.63,1194.79 h25
  text "VBUS_IN" at 528.79,1176.65 h35
  text "VDD_5V" at 777.63,1100.29 h25
  text "GND" at 541.79,1097.27 h35
  text "GND" at 1512.25,1067.5 h35
  text "GND" at 2738.06,1001.8 h35
  text "PWR" at 97.63,750.79 h25
  text "A53TX" at 74.65,636.91 h25
  text "A53RX" at 70.63,530.79 h25
  text "DN1" at 1014.3,497.29 h31 r90
  text "DP1" at 958.3,495.29 h31 r90
  text "L" at 2738.13,430.29 h40.2
  text "R" at 3191.13,430.29 h40.2
  text "M4TX" at 85.63,414.79 h25
  text "PORT2" at 1563.79,318.67 h35
  text "M4RX" at 85.63,314.79 h25
  text "PORT1" at 900.53,315.48 h35
  text "LINEOUT" at 3236.13,108.29 h40.2 r90
  text "POWER" at 1892.33,26.24 h40.2 r90
  text "Downlood" at 1229.13,22.29 h40.2 r90
  text "TYPE-C" at 1956.13,20.29 h40.2 r90
  text "DEBUG" at 657.13,19.29 h40.2 r90

## Text inside footprints (layer, text, board x,y; h text height)
J401: Top Overlay "6" at 3125.09,233.19 h31; Top Overlay "5" at 2791.72,236.09 h31; Top Overlay "3" at 3112.76,512.68 h31; Top Overlay "4" at 2809.17,498.25 h31; Top Overlay "2" at 2800.7,62.07 h31; Top Overlay "1" at 3130.47,65.57 h31; Bottom Overlay "1" at 3121.63,77.47 h31; Bottom Overlay "2" at 2843.43,75.4 h31; Top Designator "PCB EDGE" at 3254.6,27.16 h31 r90; Top Assembly "6" at 3163.11,263.88 h25 r90; Top Assembly "1" at 3151.37,72.63 h25 r90; Top Assembly "2" at 2825.58,73.61 h25 r90; Top Assembly "5" at 2817.26,261.27 h25 r90; Top Assembly "4" at 2850.18,518.83 h25 r90; Top Assembly "3" at 3119.49,520.81 h25 r90; Top Pin Number "6" at 3112.81,326.56 h35 r90; Top Pin Number "2" at 2878.55,82.47 h35 r90; Top Pin Number "1" at 3081.31,82.47 h35 r90; Top Pin Number "4" at 2837.22,452.55 h35 r90; Top Pin Number "3" at 3112.81,452.55 h35 r90; Top Pin Number "5" at 2837.22,326.56 h35 r90
J501: Top Assembly "PCB EDGE SIDE" at 1909.46,-8.56 h25 r270; Top Assembly "14" at 2645.63,115.45 h25; Top Assembly "12" at 1977.61,152.56 h25 r180; Top Assembly "10" at 2645.63,550.45 h25; Top Assembly "9" at 2651.63,665.45 h25; Top Assembly "2" at 1961.96,586.94 h25 r180; Top Assembly "1" at 1964.09,682.68 h25 r180; Top Pin Number "2" at 2136.1,577.44 h25 r180; Top Pin Number "15" at 2611.82,452.44 h25 r180; Top Pin Number "16" at 1988.82,451.44 h25 r180; Top Pin Number "14" at 2575.9,147.52 h25 r180; Top Pin Number "4" at 2236.1,577.44 h25 r180; Top Pin Number "3" at 2186.1,677.44 h25 r180; Top Pin Number "8" at 2436.1,577.44 h25 r180; Top Pin Number "10" at 2535.94,577.44 h25 r180; Top Pin Number "6" at 2336.1,577.44 h25 r180; Top Pin Number "9" at 2486.1,677.44 h25 r180; Top Pin Number "5" at 2286.1,677.44 h25 r180; Top Pin Number "7" at 2386.1,677.44 h25 r180; Top Pin Number "13" at 2575.9,227.44 h25 r180; Top Pin Number "11" at 2046.37,227.44 h25 r180; Top Pin Number "12" at 2046.37,147.52 h25 r180; Top Pin Number "1" at 2086.1,677.44 h25 r180
J601: Bottom Overlay "75" at 2192.43,2786.41 h31; Bottom Overlay "74" at 2192.63,2353.79 h31; Bottom Overlay "22" at 2682.63,2353.79 h31; Bottom Overlay "32" at 2612.63,2353.79 h31; Bottom Pin Number "33" at 2575.2,2721.34 h15 r270; Bottom Pin Number "7" at 2842.08,2728.02 h15 r270; Bottom Pin Number "1" at 2906.49,2731.23 h15 r270; Bottom Pin Number "55" at 2358.67,2721.34 h15 r270; Bottom Pin Number "53" at 2378.35,2721.34 h15 r270; Bottom Pin Number "54" at 2367.92,2423.74 h15 r270; Bottom Pin Number "62" at 2290.43,2424.49 h15 r270; Bottom Pin Number "44" at 2466.34,2423.74 h15 r270; Bottom Pin Number "46" at 2447.85,2424.46 h15 r270; Bottom Pin Number "48" at 2427.56,2424.1 h15 r270; Bottom Pin Number "6" at 2847.51,2431.14 h15 r270; Bottom Pin Number "16" at 2745.09,2425.64 h15 r270; Bottom Pin Number "67" at 2241.22,2721.73 h15 r270; Bottom Pin Number "65" at 2260.9,2721.73 h15 r270; Bottom Pin Number "61" at 2305.62,2724.95 h15 r270; Bottom Pin Number "59" at 2319.9,2721.7 h15 r270; Bottom Pin Number "73" at 2181.5,2721.34 h15 r270; Bottom Pin Number "71" at 2206.55,2724.55 h15 r270; Bottom Pin Number "64" at 2270.14,2424.14 h15 r270; Bottom Pin Number "68" at 2231.37,2424.49 h15 r270; Bottom Pin Number "70" at 2211.03,2424.1 h15 r270; Bottom Pin Number "66" at 2251.65,2424.85 h15 r270; Bottom Pin Number "38" at 2525.99,2424.1 h15 r270; Bottom Pin Number "40" at 2506.3,2424.1 h15 r270; Bottom Pin Number "42" at 2486.62,2424.1 h15 r270; Bottom Pin Number "43" at 2476.78,2721.34 h15 r270; Bottom Pin Number "41" at 2501.82,2724.55 h15 r270; Bottom Pin Number "60" at 2310.11,2424.49 h15 r270; Bottom Pin Number "58" at 2329.14,2424.1 h15 r270; Bottom Pin Number "56" at 2349.42,2424.46 h15 r270; Bottom Pin Number "5" at 2861.76,2728.02 h15 r270; Bottom Pin Number "3" at 2881.45,2728.02 h15 r270; Bottom Pin Number "34" at 2564.77,2423.74 h15 r270; Bottom Pin Number "36" at 2546.28,2424.46 h15 r270; Bottom Pin Number "22" at 2683.47,2424.1 h15 r270; Bottom Pin Number "32" at 2585.05,2424.1 h15 r270; Bottom Pin Number "14" at 2763.58,2424.92 h15 r270; Bottom Pin Number "12" at 2783.86,2425.28 h15 r270; Bottom Pin Number "10" at 2803.55,2425.28 h15 r270; Bottom Pin Number "8" at 2827.24,2430.78 h15 r270; Bottom Pin Number "50" at 2407.88,2424.1 h15 r270; Bottom Pin Number "21" at 2698.67,2724.55 h15 r270; Bottom Pin Number "23" at 2673.63,2721.34 h15 r270; Bottom Pin Number "19" at 2715.56,2722.88 h15 r270; Bottom Pin Number "17" at 2734.65,2722.52 h15 r270; Bottom Pin Number "15" at 2754.34,2722.52 h15 r270; Bottom Pin Number "13" at 2774.02,2722.52 h15 r270; Bottom Pin Number "11" at 2799.06,2725.73 h15 r270; Bottom Pin Number "9" at 2822.99,2728.38 h15 r270; Bottom Pin Number "35" at 2555.52,2721.34 h15 r270; Bottom Pin Number "37" at 2535.83,2721.34 h15 r270; Bottom Pin Number "20" at 2703.16,2424.1 h15 r270; Bottom Pin Number "74" at 2171.07,2423.74 h15 r270; Bottom Pin Number "72" at 2191.34,2424.1 h15 r270; Bottom Pin Number "4" at 2866.01,2430.42 h15 r270; Bottom Pin Number "2" at 2886.29,2430.78 h15 r270; Bottom Pin Number "47" at 2437.41,2721.34 h15 r270; Bottom Pin Number "49" at 2418.32,2721.7 h15 r270; Bottom Pin Number "52" at 2388.19,2424.1 h15 r270; Bottom Pin Number "18" at 2724.8,2425.28 h15 r270; Bottom Pin Number "75" at 2161.82,2721.34 h15 r270; Bottom Pin Number "63" at 2280.59,2721.73 h15 r270; Bottom Pin Number "69" at 2222.12,2722.09 h15 r270; Bottom Pin Number "51" at 2403.4,2724.55 h15 r270; Bottom Pin Number "57" at 2338.98,2721.34 h15 r270; Bottom Pin Number "39" at 2516.75,2721.7 h15 r270; Bottom Pin Number "45" at 2457.09,2721.34 h15 r270
J701: Bottom Pin Number "2" at 2893.4,3647.38 h25; Bottom Pin Number "7" at 2676.86,3647.38 h25; Bottom Pin Number "8" at 2633.55,3647.38 h25; Bottom Pin Number "5" at 2763.47,3647.38 h25; Bottom Pin Number "1" at 2925.99,3647.38 h25; Bottom Pin Number "3" at 2850.09,3647.38 h25; Bottom Pin Number "9" at 2589.06,3647.38 h25; Bottom Pin Number "4" at 2807.97,3647.38 h25; Bottom Pin Number "13" at 3136.13,3684.94 h25; Bottom Pin Number "12" at 3171.57,4062.9 h25; Bottom Pin Number "6" at 2718.98,3647.38 h25; Bottom Pin Number "11" at 2550.62,4062.9 h25; Bottom Pin Number "10" at 2551.49,3684.94 h25
J801: Top Overlay "B1" at 390.07,4208.76 h25; Top Overlay "B18" at 920.84,4204.82 h25; Top Overlay "A18" at 929.11,3602.85 h25; Top Overlay "A1" at 401.09,3603.64 h25; Top Assembly "A1" at 407.3,3606.43 h25; Top Assembly "A18" at 943.94,3606.82 h25; Top Assembly "B1" at 394.71,4208.4 h25; Top Assembly "B18" at 932.52,4202.49 h25; Top Pin Number "B18" at 948.81,3982.24 h15 r90; Top Pin Number "T8" at 1039.52,4111.77 h15 r90; Top Pin Number "A8" at 649.76,3749.96 h15 r90; Top Pin Number "A9" at 681.26,3749.96 h15 r90; Top Pin Number "A13" at 807.08,3749.96 h15 r90; Top Pin Number "A14" at 838.58,3749.96 h15 r90; Top Pin Number "A11" at 744.09,3749.96 h15 r90; Top Pin Number "B8" at 634.01,3982.24 h15 r90; Top Pin Number "A10" at 712.59,3749.96 h15 r90; Top Pin Number "B2" at 445.04,3982.24 h15 r90; Top Pin Number "A2" at 460.78,3749.96 h15 r90; Top Pin Number "B13" at 791.33,3982.24 h15 r90; Top Pin Number "B14" at 822.83,3982.24 h15 r90; Top Pin Number "B3" at 476.53,3982.24 h15 r90; Top Pin Number "B17" at 917.32,3982.24 h15 r90; Top Pin Number "A3" at 492.28,3749.96 h15 r90; Top Pin Number "B5" at 539.52,3982.24 h15 r90; Top Pin Number "B16" at 885.82,3982.24 h15 r90; Top Pin Number "B6" at 571.02,3982.24 h15 r90; Top Pin Number "A5" at 555.27,3749.96 h15 r90; Top Pin Number "A6" at 586.77,3749.96 h15 r90; Top Pin Number "A16" at 901.57,3749.96 h15 r90; Top Pin Number "A17" at 933.06,3749.96 h15 r90; Top Pin Number "B11" at 728.34,3982.24 h15 r90; Top Pin Number "B10" at 696.84,3982.24 h15 r90; Top Pin Number "B9" at 665.51,3982.24 h15 r90; Top Pin Number "T1" at 338.74,3707.44 h15 r90; Top Pin Number "A12" at 775.58,3749.96 h15 r90; Top Pin Number "A15" at 870.07,3749.96 h15 r90; Top Pin Number "T5" at 1039.52,3707.44 h15 r90; Top Pin Number "T2" at 338.74,3787.36 h15 r90; Top Pin Number "A1" at 429.29,3749.96 h15 r90; Top Pin Number "A4" at 523.78,3749.96 h15 r90; Top Pin Number "A7" at 618.26,3749.96 h15 r90; Top Pin Number "A18" at 964.56,3749.96 h15 r90; Top Pin Number "T6" at 1039.52,3787.36 h15 r90; Top Pin Number "T3" at 338.74,3944.84 h15 r90; Top Pin Number "T7" at 1039.52,3944.84 h15 r90; Top Pin Number "T4" at 338.74,4072.4 h15 r90; Top Pin Number "B1" at 413.54,3982.24 h15 r90; Top Pin Number "B4" at 508.03,3982.24 h15 r90; Top Pin Number "B7" at 602.52,3982.24 h15 r90; Top Pin Number "B12" at 759.84,3982.24 h15 r90; Top Pin Number "B15" at 854.32,3982.24 h15 r90
J802: Top Overlay "B1" at 1264.64,4208.76 h25; Top Overlay "B18" at 1795.41,4204.82 h25; Top Overlay "A18" at 1803.68,3602.85 h25; Top Overlay "A1" at 1275.66,3603.64 h25; Top Assembly "A1" at 1281.87,3606.43 h25; Top Assembly "A18" at 1818.51,3606.82 h25; Top Assembly "B1" at 1269.28,4208.4 h25; Top Assembly "B18" at 1807.09,4202.49 h25; Top Pin Number "B18" at 1823.38,3982.24 h15 r90; Top Pin Number "T8" at 1914.09,4111.77 h15 r90; Top Pin Number "A8" at 1524.33,3749.96 h15 r90; Top Pin Number "A9" at 1555.83,3749.96 h15 r90; Top Pin Number "A13" at 1681.65,3749.96 h15 r90; Top Pin Number "A14" at 1713.15,3749.96 h15 r90; Top Pin Number "A11" at 1618.66,3749.96 h15 r90; Top Pin Number "B8" at 1508.58,3982.24 h15 r90; Top Pin Number "A10" at 1587.16,3749.96 h15 r90; Top Pin Number "B2" at 1319.61,3982.24 h15 r90; Top Pin Number "A2" at 1335.35,3749.96 h15 r90; Top Pin Number "B13" at 1665.9,3982.24 h15 r90; Top Pin Number "B14" at 1697.4,3982.24 h15 r90; Top Pin Number "B3" at 1351.1,3982.24 h15 r90; Top Pin Number "B17" at 1791.89,3982.24 h15 r90; Top Pin Number "A3" at 1366.85,3749.96 h15 r90; Top Pin Number "B5" at 1414.09,3982.24 h15 r90; Top Pin Number "B16" at 1760.39,3982.24 h15 r90; Top Pin Number "B6" at 1445.59,3982.24 h15 r90; Top Pin Number "A5" at 1429.84,3749.96 h15 r90; Top Pin Number "A6" at 1461.34,3749.96 h15 r90; Top Pin Number "A16" at 1776.14,3749.96 h15 r90; Top Pin Number "A17" at 1807.63,3749.96 h15 r90; Top Pin Number "B11" at 1602.91,3982.24 h15 r90; Top Pin Number "B10" at 1571.41,3982.24 h15 r90; Top Pin Number "B9" at 1540.08,3982.24 h15 r90; Top Pin Number "T1" at 1213.31,3707.44 h15 r90; Top Pin Number "A12" at 1650.15,3749.96 h15 r90; Top Pin Number "A15" at 1744.64,3749.96 h15 r90; Top Pin Number "T5" at 1914.09,3707.44 h15 r90; Top Pin Number "T2" at 1213.31,3787.36 h15 r90; Top Pin Number "A1" at 1303.86,3749.96 h15 r90; Top Pin Number "A4" at 1398.35,3749.96 h15 r90; Top Pin Number "A7" at 1492.83,3749.96 h15 r90; Top Pin Number "A18" at 1839.13,3749.96 h15 r90; Top Pin Number "T6" at 1914.09,3787.36 h15 r90; Top Pin Number "T3" at 1213.31,3944.84 h15 r90; Top Pin Number "T7" at 1914.09,3944.84 h15 r90; Top Pin Number "T4" at 1213.31,4072.4 h15 r90; Top Pin Number "B1" at 1288.11,3982.24 h15 r90; Top Pin Number "B4" at 1382.6,3982.24 h15 r90; Top Pin Number "B7" at 1477.09,3982.24 h15 r90; Top Pin Number "B12" at 1634.41,3982.24 h15 r90; Top Pin Number "B15" at 1728.89,3982.24 h15 r90
J901: Top Assembly "5" at 471.13,207.71 h25; Top Assembly "1" at 371.63,205.46 h25; Top Assembly "PCB EDGE" at 114.58,78.97 h25 r90; Top Pin Number "4" at 446.36,165.52 h15; Top Pin Number "1" at 373.16,165.52 h15; Top Pin Number "3" at 421.13,164.54 h15; Top Pin Number "2" at 395.54,165.52 h15; Top Pin Number "S3" at 386.39,56.03 h15 r90; Top Pin Number "S1" at 295.83,51.37 h15 r90; Top Pin Number "S5" at 316.03,158.64 h15; Top Pin Number "S2" at 571.42,48.15 h15 r90; Top Pin Number "S4" at 480.87,55.68 h15 r90; Top Pin Number "S6" at 513.23,158.63 h15; Top Pin Number "5" at 472.31,165.52 h15
J902: Top Overlay "1" at 2175.96,3745.67 h31; Top Overlay "2" at 2168.13,3861.29 h31; Bottom Overlay "1" at 2223.13,3764.46 h31; Top Assembly "2" at 2161.96,3854.67 h25; Top Assembly "1" at 2164.96,3767.67 h25; Top Assembly "9" at 2536.96,3763.67 h25; Top Assembly "10" at 2528.96,3857.67 h25; Top Pin Number "7" at 2425.64,3770.67 h25 r90; Top Pin Number "9" at 2475.64,3770.67 h25 r90; Top Pin Number "1" at 2275.64,3770.67 h25 r90; Top Pin Number "10" at 2475.32,3845.67 h25 r90; Top Pin Number "6" at 2375.64,3845.67 h25 r90; Top Pin Number "8" at 2425.64,3845.67 h25 r90; Top Pin Number "4" at 2325.64,3845.67 h25 r90; Top Pin Number "2" at 2275.64,3845.67 h25 r90; Top Pin Number "5" at 2375.64,3770.67 h25 r90; Top Pin Number "3" at 2325.64,3770.67 h25 r90
J1001: Bottom Overlay "1" at 3117.13,1772.45 h31; Bottom Overlay "60" at 3123.63,577.45 h31; Bottom Pin Number "1" at 3190.18,1739.03 h15; Bottom Pin Number "3" at 3193.39,1694.3 h15; Bottom Pin Number "59" at 3199.87,581.41 h15; Bottom Pin Number "58" at 3200.23,600.49 h15; Bottom Pin Number "57" at 3200.23,620.18 h15; Bottom Pin Number "56" at 3199.87,640.46 h15; Bottom Pin Number "55" at 3200.23,659.55 h15; Bottom Pin Number "54" at 3200.59,678.64 h15; Bottom Pin Number "53" at 3200.23,698.92 h15; Bottom Pin Number "52" at 3200.23,718.6 h15; Bottom Pin Number "37" at 3200.23,1013.88 h15; Bottom Pin Number "36" at 3199.87,1034.16 h15; Bottom Pin Number "35" at 3200.23,1053.25 h15; Bottom Pin Number "34" at 3200.59,1072.34 h15; Bottom Pin Number "31" at 3197.02,1137.35 h15; Bottom Pin Number "39" at 3199.87,975.11 h15; Bottom Pin Number "51" at 3197.02,743.65 h15; Bottom Pin Number "50" at 3200.23,757.97 h15; Bottom Pin Number "46" at 3199.87,837.31 h15; Bottom Pin Number "2" at 3193.39,1713.98 h15; Bottom Pin Number "47" at 3200.23,817.03 h15; Bottom Pin Number "48" at 3200.23,797.34 h15; Bottom Pin Number "44" at 3200.59,875.49 h15; Bottom Pin Number "41" at 3197.02,940.5 h15; Bottom Pin Number "43" at 3200.23,895.77 h15; Bottom Pin Number "33" at 3200.23,1092.62 h15; Bottom Pin Number "29" at 3199.87,1171.96 h15; Bottom Pin Number "24" at 3200.59,1269.19 h15; Bottom Pin Number "19" at 3198.69,1370.77 h15; Bottom Pin Number "10" at 3199.05,1547.34 h15; Bottom Pin Number "18" at 3199.05,1389.86 h15; Bottom Pin Number "25" at 3200.23,1250.1 h15; Bottom Pin Number "23" at 3200.23,1289.47 h15; Bottom Pin Number "21" at 3197.01,1334.2 h15; Bottom Pin Number "15" at 3199.05,1448.92 h15; Bottom Pin Number "13" at 3199.05,1488.29 h15; Bottom Pin Number "11" at 3195.84,1533.01 h15; Bottom Pin Number "20" at 3200.23,1348.52 h15; Bottom Pin Number "26" at 3199.87,1231.01 h15; Bottom Pin Number "22" at 3200.23,1309.15 h15; Bottom Pin Number "6" at 3193.03,1635.83 h15; Bottom Pin Number "12" at 3199.05,1507.97 h15; Bottom Pin Number "14" at 3199.41,1468 h15; Bottom Pin Number "27" at 3200.23,1210.73 h15; Bottom Pin Number "8" at 3193.39,1595.87 h15; Bottom Pin Number "16" at 3198.69,1429.82 h15; Bottom Pin Number "9" at 3193.03,1576.78 h15; Bottom Pin Number "4" at 3193.75,1674.01 h15; Bottom Pin Number "60" at 3199.84,561.78 h15; Bottom Pin Number "49" at 3199.87,778.26 h15; Bottom Pin Number "45" at 3200.23,856.4 h15; Bottom Pin Number "38" at 3200.23,994.19 h15; Bottom Pin Number "42" at 3200.23,915.45 h15; Bottom Pin Number "40" at 3200.23,954.82 h15; Bottom Pin Number "32" at 3200.23,1112.3 h15; Bottom Pin Number "30" at 3200.23,1151.67 h15; Bottom Pin Number "28" at 3200.23,1191.04 h15; Bottom Pin Number "17" at 3199.05,1409.55 h15; Bottom Pin Number "7" at 3193.39,1615.56 h15; Bottom Pin Number "5" at 3193.39,1654.93 h15
J1003: Top Overlay "1" at 3121.63,3233.79 h59.8; Top Overlay "2" at 3411.63,3233.79 h59.8; Top Overlay "39" at 3123.83,1118.89 h59.8; Top Overlay "40" at 3348.83,1118.89 h59.8; Top Assembly "40" at 3361.35,1176.06 h25; Top Assembly "39" at 3155.63,1176.06 h25; Top Assembly "2" at 3371.44,3241.38 h25; Top Assembly "1" at 3167.73,3241.38 h25; Top Pin Number "6" at 3373.91,2968.79 h25; Top Pin Number "9" at 3179.03,2768.79 h25; Top Pin Number "14" at 3373.75,2568.79 h25; Top Pin Number "20" at 3373.75,2268.79 h25; Top Pin Number "30" at 3373.75,1768.79 h25; Top Pin Number "34" at 3373.75,1568.79 h25; Top Pin Number "39" at 3178.87,1268.79 h25; Top Pin Number "25" at 3178.87,1968.79 h25; Top Pin Number "7" at 3179.03,2868.79 h25; Top Pin Number "11" at 3178.87,2668.79 h25; Top Pin Number "8" at 3373.91,2868.79 h25; Top Pin Number "10" at 3373.75,2768.79 h25; Top Pin Number "4" at 3373.91,3068.79 h25; Top Pin Number "2" at 3373.91,3168.79 h25; Top Pin Number "24" at 3373.75,2068.79 h25; Top Pin Number "5" at 3179.03,2968.79 h25; Top Pin Number "3" at 3179.03,3068.79 h25; Top Pin Number "23" at 3178.87,2068.79 h25; Top Pin Number "21" at 3178.87,2168.79 h25; Top Pin Number "19" at 3178.87,2268.79 h25; Top Pin Number "12" at 3373.75,2668.79 h25; Top Pin Number "13" at 3178.87,2568.79 h25; Top Pin Number "15" at 3178.87,2468.79 h25; Top Pin Number "16" at 3373.75,2468.79 h25; Top Pin Number "33" at 3178.87,1568.79 h25; Top Pin Number "32" at 3373.75,1668.79 h25; Top Pin Number "36" at 3373.75,1468.79 h25; Top Pin Number "38" at 3373.75,1368.79 h25; Top Pin Number "40" at 3373.75,1268.79 h25; Top Pin Number "35" at 3178.87,1468.79 h25; Top Pin Number "37" at 3178.87,1368.79 h25; Top Pin Number "1" at 3179.03,3168.79 h25; Top Pin Number "17" at 3178.87,2368.79 h25; Top Pin Number "31" at 3178.87,1668.79 h25; Top Pin Number "29" at 3178.87,1768.79 h25; Top Pin Number "27" at 3178.87,1868.79 h25; Top Pin Number "18" at 3373.75,2368.79 h25; Top Pin Number "26" at 3373.75,1968.79 h25; Top Pin Number "28" at 3373.75,1868.79 h25; Top Pin Number "22" at 3373.75,2168.79 h25
J1004: Top Overlay "8" at 75.63,875.79 h31; Top Overlay "7" at 336.42,870.31 h31; Top Overlay "2" at 60.63,1272.1 h31; Top Overlay "1" at 342.09,1277.54 h31; Top Assembly "2" at 81.63,1225.79 h25; Top Assembly "1" at 321.63,1225.79 h25; Top Assembly "8" at 81.63,920.79 h25; Top Assembly "7" at 316.63,920.79 h25; Top Pin Number "1" at 313.97,1220.79 h25; Top Pin Number "2" at 91.47,1220.79 h25; Top Pin Number "5" at 313.97,1020.79 h25; Top Pin Number "6" at 91.47,1020.79 h25; Top Pin Number "3" at 313.97,1120.79 h25; Top Pin Number "4" at 91.47,1120.79 h25; Top Pin Number "7" at 313.97,920.79 h25; Top Pin Number "8" at 91.47,920.79 h25
L101: Top Overlay "1" at 8959.65,344.14 h31 r180; Top Pin Number "2" at 9031.74,68.29 h25 r270; Top Pin Number "1" at 9031.74,286.29 h25 r270
L102: Top Overlay "1" at 8785.19,796.64 h15 r270
L502: Top Overlay "1" at 6476.06,835.04 h31 r180; Bottom Pin Number "2" at 6373.42,880.04 h25 r180; Bottom Pin Number "1" at 6438.38,880.04 h25 r180; Top Assembly "1" at 6476.06,830.04 h25 r180
Q101: Top Overlay "1" at 10056.24,622.72 h31 r180; Top Assembly "5" at 9981.24,487.72 h25 r270; Top Assembly "4" at 9936.24,572.72 h25 r270; Top Assembly "1" at 10022.63,569.19 h25 r270; Top Pin Number "1" at 10022.13,570.42 h15 r270; Top Pin Number "2" at 9996.54,573.63 h15 r270; Top Pin Number "3" at 9970.94,573.63 h15 r270; Top Pin Number "5" at 9983.74,517.72 h15 r270; Top Pin Number "4" at 9945.35,573.99 h15 r270